# KiCad board design.kicad_pcb (continued)
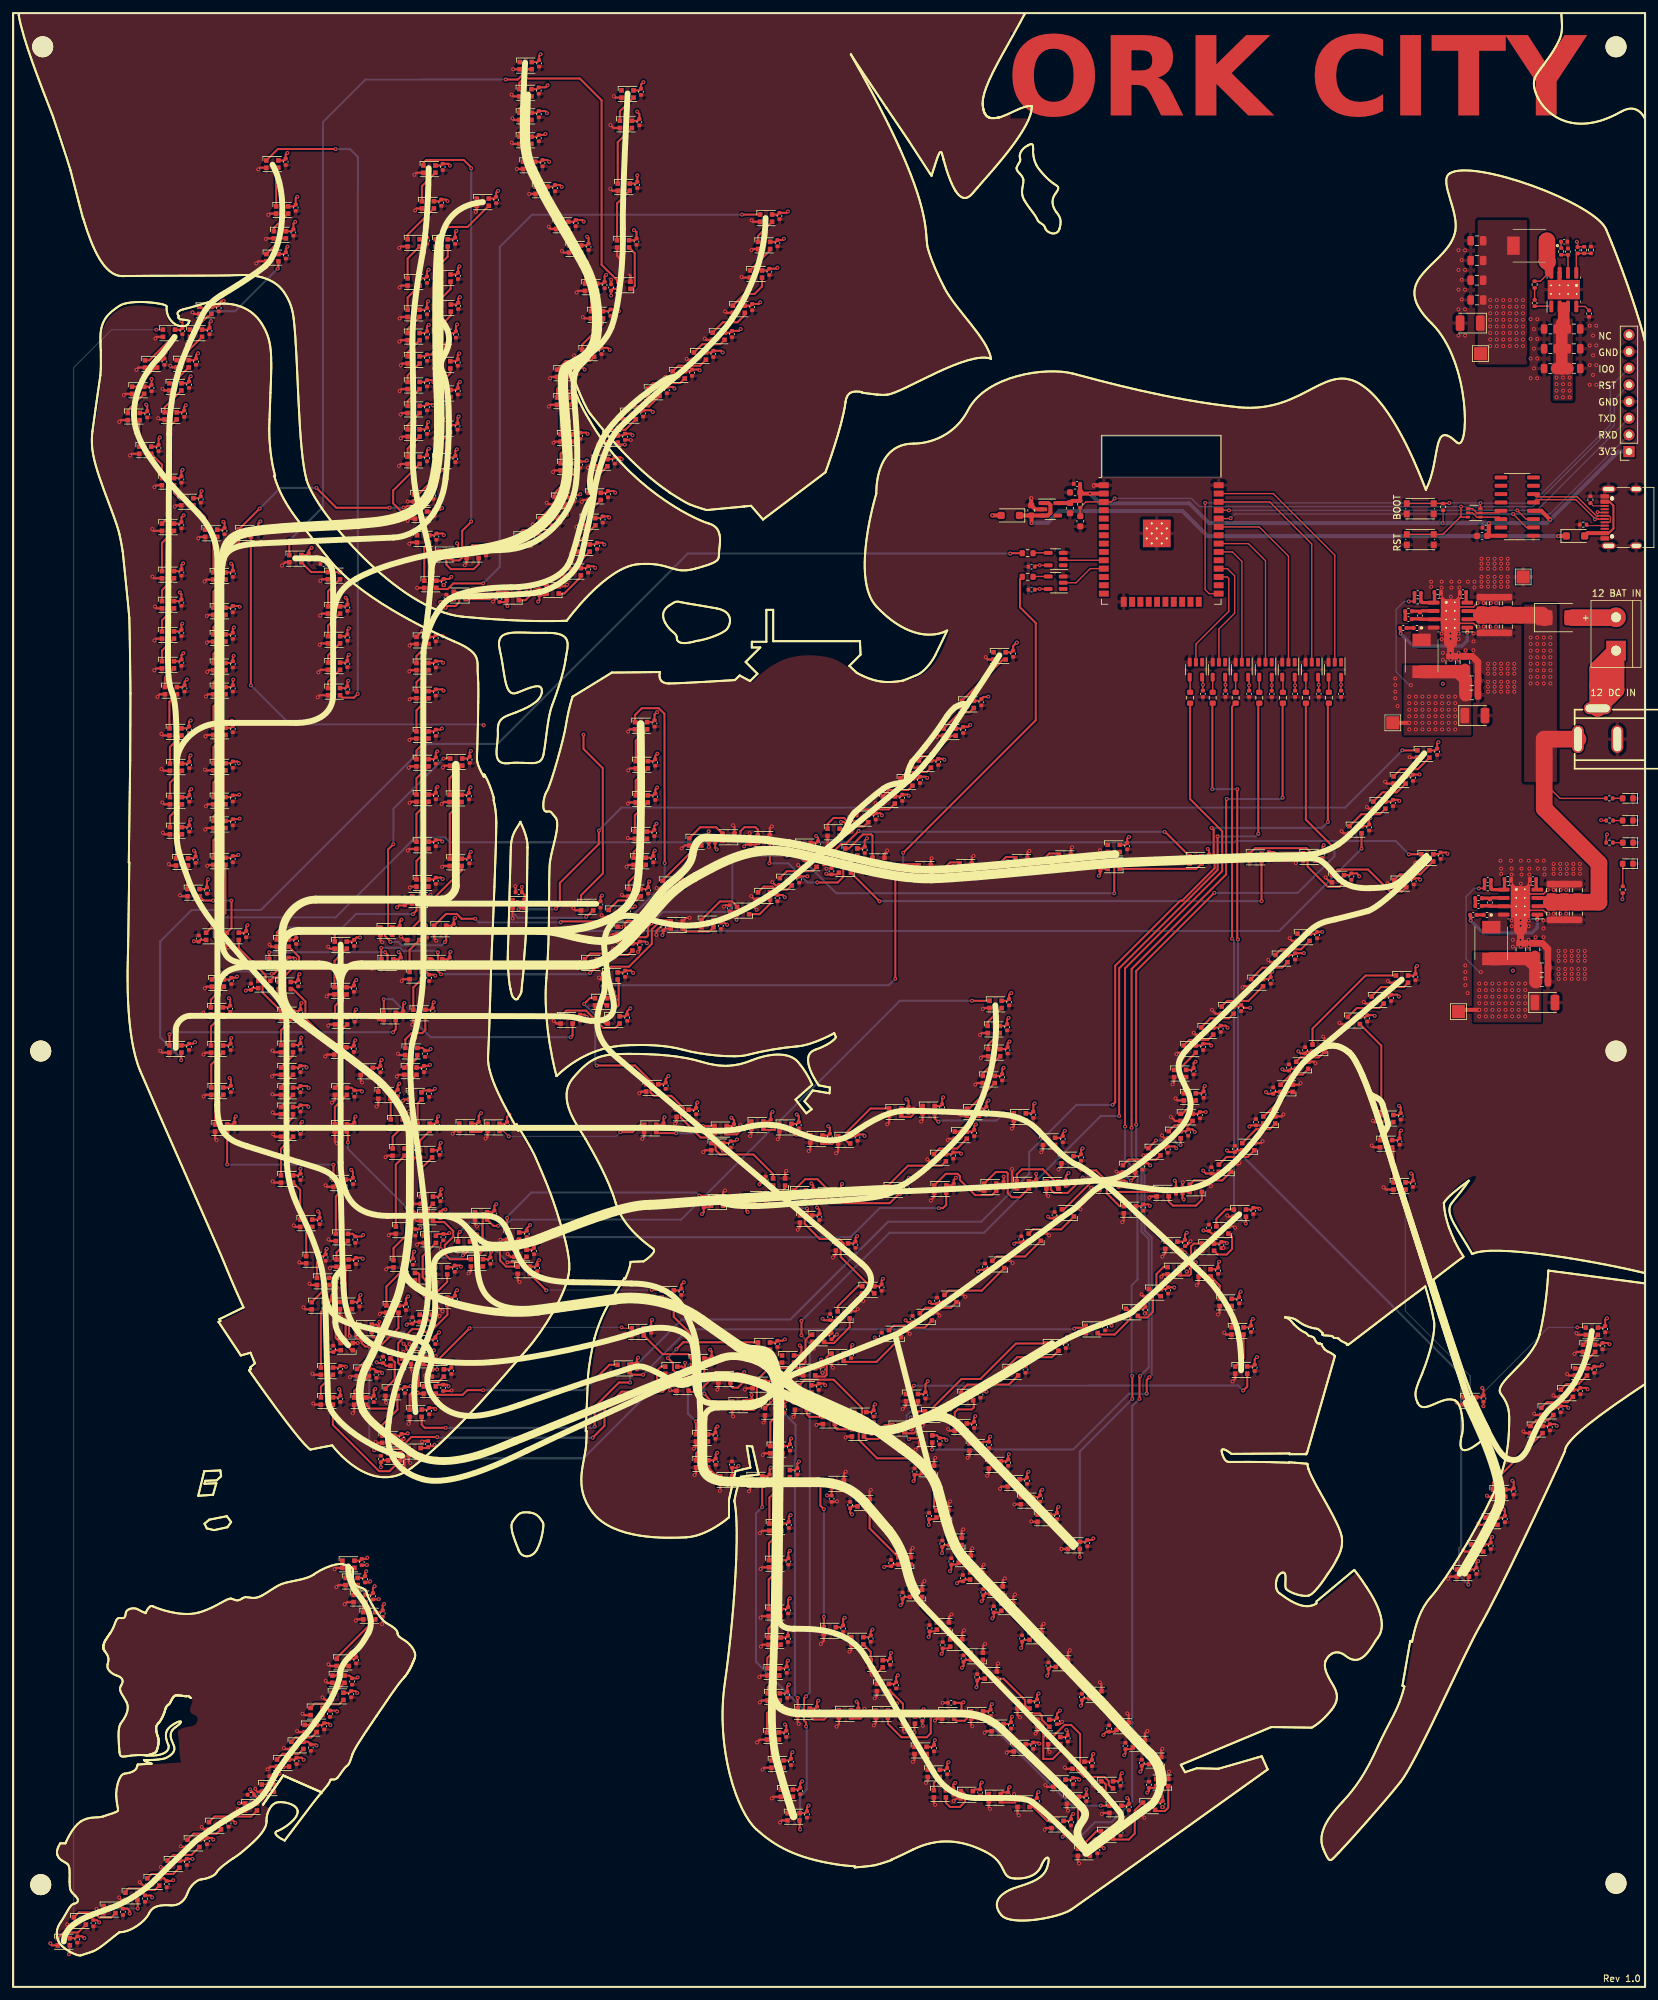
[diagram p0: board, top side]
## Routing (per net, layer and track width the routed paths; a pad name or vN(x,y) marks a point on that pad's centre or on a via; arc(x,y) is an arc through that point) (continued)
Net-(Q1A-B1): length 5.4
  Top w0.203: 221.65,225.22 222.33,225.22 222.98,224.57 Q1.2 226.36,224.57 U1.13
Net-(Q1A-E1): length 5.4
  Top w0.203: 221.65,224.57 222.35,224.57 223,223.92 Q1.1 226.37,223.92 U1.14
Net-(U4-BST): length 14
  Top w0.5: v1(221.54,206.33) 221.55,206.34 U4.1 ; v1(211.39,206.18) 211.39,206.95
  Bottom w0.5: v1(211.39,206.18) 213.29,204.28 220.74,204.28 221.54,205.08 v1(221.54,206.33)
Net-(U4-COMP): length 2.9
  Top w0.5: 214.57,209.63 216.41,209.63 ; 213.12,209.58 214.16,209.58
Net-(U4-FB): length 4.5
  Top w0.5: 216.55,212.48 216.55,211.01 ; U4.5 214.67,210.89 ; 214.47,211.08 214.47,212.33
Net-(U4-SS): length 1.4
  Top w0.5: 221.37,212.48 221.37,211.06
Net-(U5-BST): length 14
  Top w0.5: U5.1 232.22,162.62 v1(232.2,162.61) ; v1(222.05,162.46) 222.05,163.23
  Bottom w0.5: v1(232.2,162.61) 232.2,161.36 231.4,160.56 223.95,160.56 v1(222.05,162.46)
Net-(U5-COMP): length 2.9
  Top w0.5: 225.23,165.91 227.08,165.91 ; 223.79,165.86 224.82,165.86
Net-(U5-FB): length 4.5
  Top w0.5: 225.14,167.36 225.14,168.61 ; U5.5 225.33,167.17 ; 227.22,168.76 227.22,167.29
Net-(U5-SS): length 1.4
  Top w0.5: 232.04,168.76 232.04,167.34
Net-(U6-BST): length 2.6
  Top w0.203: C45.2 234.31,256.05 234.35,256.01
Net-(U6-COMP): length 3.8
  Top w0.203: U6.6 236.89,263.87 C54.1 235.86,263.87 R20.1
Net-(U6-FB): length 5.1
  Top w0.203: R21.1 240.36,264.09 C46.2 238.16,263.9 U6.5
Net-(U6-SS): length 2.2
  Top w0.203: C53.1 239.5,256.01 U6.4
Net-(U7-Y): length 2.3
  Top w0.203: R22.1 179.31,199.48 U7.4
Net-(U8-Y): length 2.3
  Top w0.203: R23.1 U8.4
Net-(U9-Y): length 2.3
  Top w0.203: R24.1 U9.4
Net-(U10-Y): length 2.3
  Top w0.203: R25.1 U10.4
Net-(U11-Y): length 2.4
  Top w0.203: U11.4 193.45,199.44 R26.1
Net-(U12-Y): length 2.3
  Top w0.203: R27.1 155.44,218.47 U12.4
Net-(U13-Y): length 2.3
  Top w0.203: U13.4 155.44,214.87 R28.1
Net-(U14-Y): length 2.3
  Top w0.203: R29.1 196.95,199.49 U14.4
Net-(U15-Y): length 2.3
  Top w0.203: U15.4 200.45,199.49 R30.1

## Copper pours and planes (outline as drawn; the poured copper is in the pictures)
+5V on Top: 222.15,190.65 211.83,190.65 211.82,201.37 222.14,201.37
+5V on Top: 232.82,146.93 222.5,146.93 222.49,157.65 232.81,157.65
+5V on Top: 223.13,269.17 230.63,269.17 230.63,247.17 223.13,247.17
+5V on In2.Cu: 104.2,176.57 258.2,176.57 258.2,-5.43 104.2,-5.43
+5V on In2.Cu: -6.8,209.57 205.2,209.57 205.2,229.57 258.2,229.57 258.2,303.57 -6.8,303.57
+5V on In2.Cu: 258.2,208.57 258.2,177.57 103.2,177.57 103.2,-7.43 -6.8,-7.43 -6.8,208.57
/Controller/+12v on Top, In2.Cu: 235.2,210.57 235.2,183.57 230.2,183.57 230.2,210.57
/Controller/+12v on Top, In2.Cu: 234.63,254.17 237.63,254.17 237.63,241.67 234.63,241.67
GND on Top: 228.59,212.88 228.59,210.78 222.89,210.78 222.89,212.88
GND on Top: 239.25,169.16 239.25,167.06 233.55,167.06 233.55,169.16
GND on Top: 231.1,169.76 231.1,158.16 228.1,158.16 228.1,169.76
GND on Top: 239.25,163.51 239.25,161.66 233.6,161.66 233.6,163.51
GND on Top: 220.44,213.48 220.44,201.88 217.44,201.88 217.44,213.48
GND on Top: 228.59,207.23 228.59,205.38 222.94,205.38 222.94,207.23
GND on Top, Bottom: 242.74,150.51 220.24,150.51 220.24,173.01 242.74,173.01
GND on Top, Bottom: 232.07,194.23 209.57,194.23 209.57,216.73 232.07,216.73
GND on Top, Bottom, In1.Cu: -6.8,322.57 258.2,322.57 258.2,-7.43 -6.8,-7.43
GND on Bottom: 220.59,212.03 220.59,204.94 217.19,204.94 217.19,212.03
GND on Bottom: 231.25,168.31 231.25,161.22 227.85,161.22 227.85,168.31
(no net) on Top: 228.59,209.88 228.59,208.08 220.79,208.08 220.79,209.88
(no net) on Top: 239.25,166.16 239.25,164.36 231.45,164.36 231.45,166.16
/Controller/SW on Top: 216.99,207.38 216.99,204.23 214.09,204.23 214.09,207.38
/Controller/SW1 on Top: 227.65,163.66 227.65,160.56 224.75,160.56 224.75,163.66

## Text on the board
Top: ORK CITY
F.Mask: Staten Island | Bronx | Manhattan | Queens | Brooklyn | NEW YORK CITY
F.Silkscreen: + | 12 DC IN | 12 BAT IN | NC | GND | IO0 | RST | TXD | RXD | 3V3 | Rev 1.0 | BOOT
